# Altium PCB CX4.PcbDoc (part 2 of 2)
Units mil, origin at the board's own origin, x right, y up, seen from the top; angles counter-clockwise.
Board outline 3543.31 x 4330.71 mil, 6 copper layers (Top Layer, Internal Plane 1, Mid-Layer 1, Mid-Layer 2, Internal Plane 2, Bottom Layer), stack 63.99 mil thick; 67 components, 103 nets, 534 pads, 308 vias.
Unrouted connection lines stored in the file: 7.
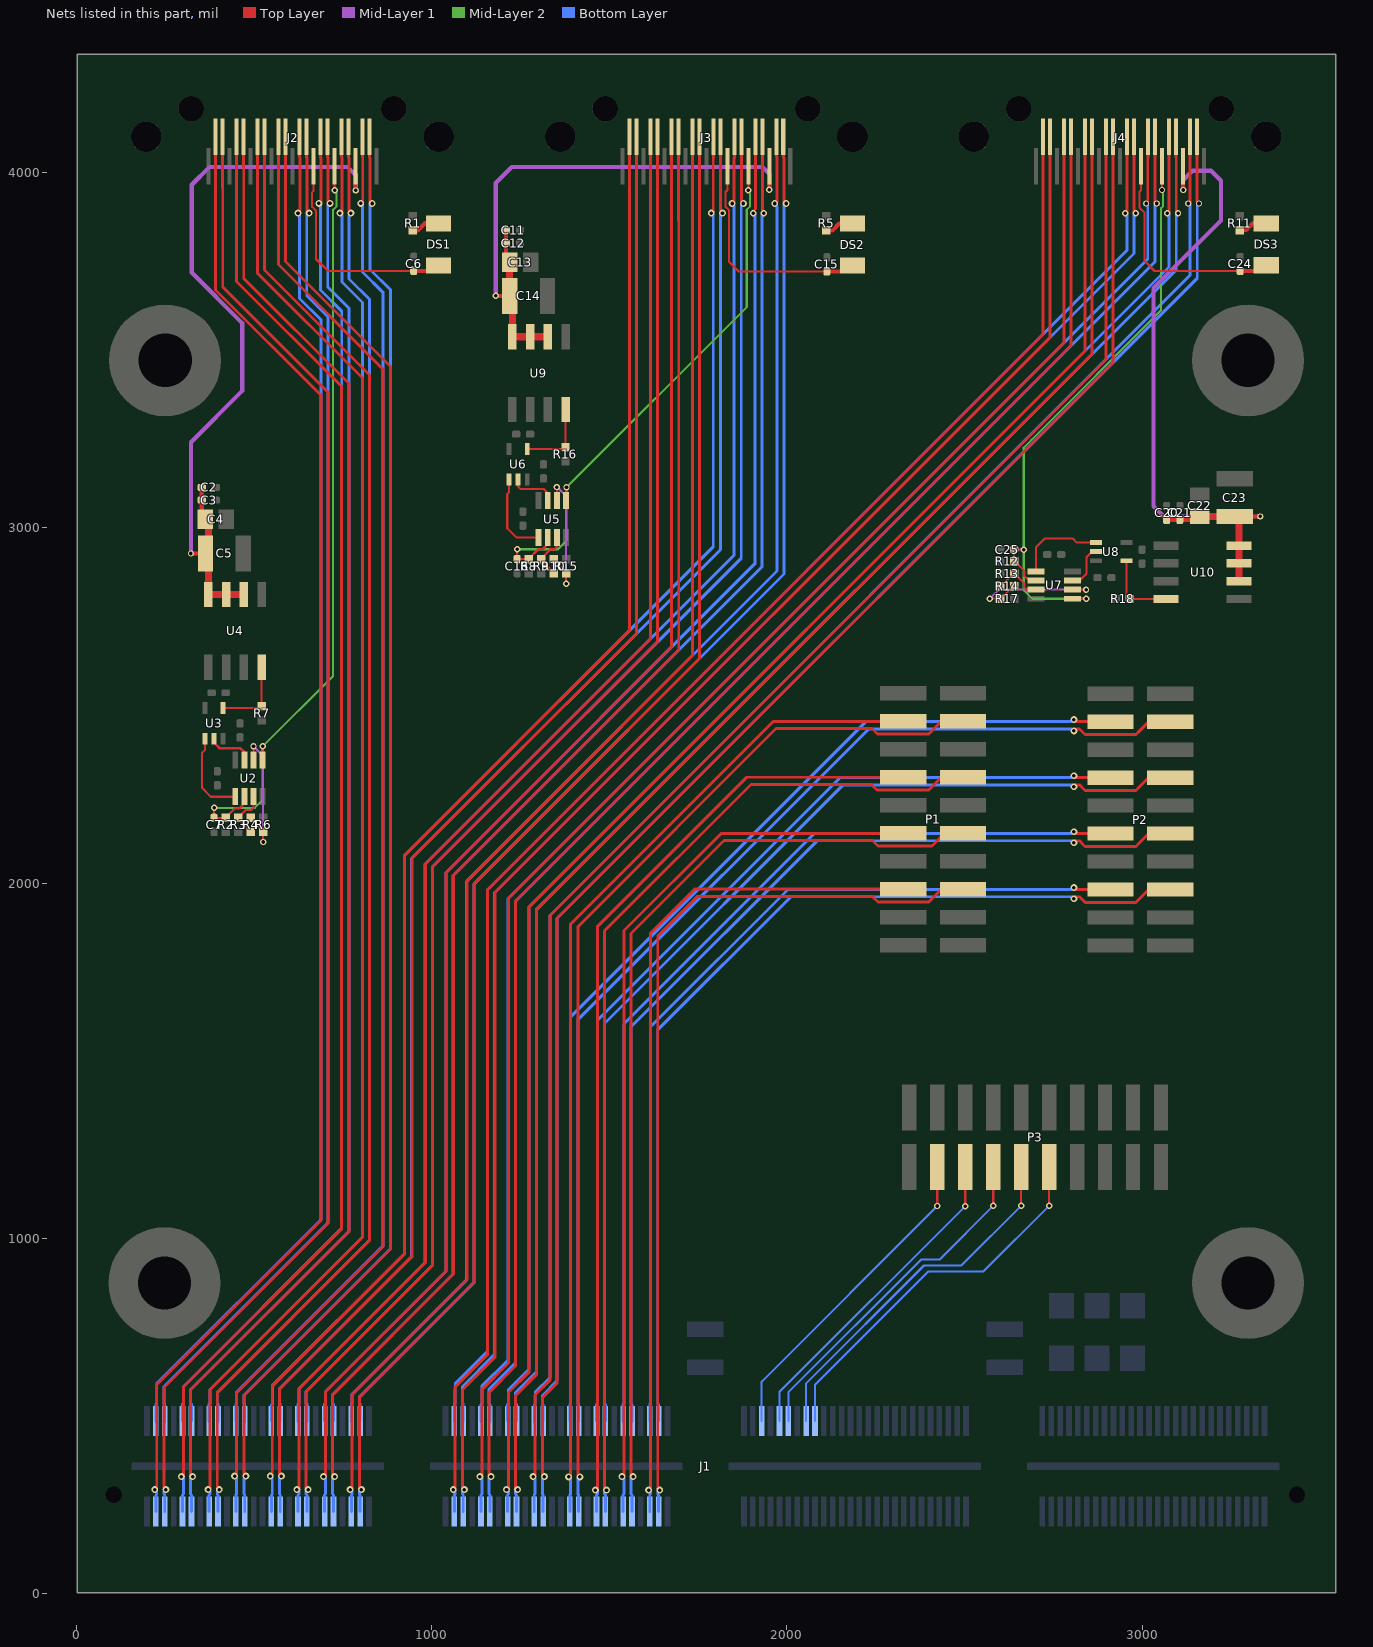
[diagram p6: the nets of this part, all layers, seen from the top]

## Via types
v1: diameter 18, hole 10, Top Layer to Bottom Layer, 224 vias
v2: diameter 19.4, hole 10, Top Layer to Bottom Layer, 49 vias
v3: diameter 32, hole 16, Top Layer to Bottom Layer, 29 vias
v4: diameter 19.1, hole 10, Top Layer to Bottom Layer, 6 vias

## Nets (pads, with @x,y where several pads share a name; then routed paths per layer and width w, separated by ;. In a path a pad name is that pad's centre, name@x,y a point inside that pad or via, vN(x,y) a via of type N, cw(c..) or ccw(c..) an arc to the next point about the centre after c; other vN are vias at no path point) (continued)
MGT_GPIO1: J1.C18 P3.3 | length 919.1
  Top Layer w6: v1(2423.41,1091.41) P3.3@2423.41,1200.94
  Bottom Layer w6: J1.C18@1929.29,486.5 1929.29,597.29 v1(2423.41,1091.41)
MGT_GPIO2: J1.C19 P3.5 | length 931
  Top Layer w6: v1(2502.15,1091.15) P3.5@2502.15,1200.94
  Bottom Layer w6: J1.C19@1979.29,486.5 1979.29,568.29 v1(2502.15,1091.15)
MGT_GPIO3: J1.C20 P3.7 | length 983.7
  Top Layer w6: v1(2580.89,1091.89) P3.7@2580.89,1200.94
  Bottom Layer w6: J1.C20@2004.29,486.5 2004.29,567.29 2378,941 2430,941 v1(2580.89,1091.89)
MGT_GPIO4: J1.C21 P3.9 | length 1026.7
  Top Layer w6: v1(2659.63,1092.63) P3.9@2659.63,1200.94
  Bottom Layer w6: J1.C21@2054.29,486.5 2054.29,592.29 2386,924 2491,924 v1(2659.63,1092.63)
MGT_GPIO5: J1.C22 P3.11 | length 1078.2
  Top Layer w6: v1(2738.37,1092.37) P3.11@2738.37,1200.94
  Bottom Layer w6: J1.C22@2079.29,486.5 2079.29,588.29 2398,907 2553,907 v1(2738.37,1092.37)
MGT_RX_16_N: J1.A2 J2.S2 | length 4188.3
  Top Layer w8.2: v2(252.49,293) 246.89,298.6 246.89,581.02 709,1043.13 709,3381.8 412.57,3678.23 412.57,3956 ; 411.98,3956.59 J2.S2@411.98,4100.58
  Bottom Layer w8.2: J1.A2@249.29,231.5 249.29,278.34 246.89,280.74 246.89,287.4 v2(252.49,293)
MGT_RX_16_P: J1.A1 J2.S1 | length 4194.4
  Top Layer w8.2: v2@226.69,293 v2(221.09,293) 226.69,298.6 226.69,589.38 688.8,1051.5 688.8,3373.43 392.37,3669.86 392.37,3956 ; 392.29,3956.07 J2.S1@392.29,4100.58
  Bottom Layer w8.2: v2(221.09,293) 226.69,287.4 226.69,280.74 224.29,278.34 J1.A1@224.29,231.5
MGT_RX_17_N: J1.A4 J2.S4 | length 4181.2
  Top Layer w8.2: v2(327.49,330) 321.89,335.6 321.89,573.43 767.4,1018.94 767.4,3405.99 471.6,3701.79 471.6,4015 ; 471.04,4015.56 J2.S4@471.04,4100.58
  Bottom Layer w8.2: J1.A4@324.29,231.5 324.29,278.34 321.89,280.74 321.89,324.4 v2(327.49,330)
MGT_RX_17_P: J1.A3 J2.S3 | length 4181.7
  Top Layer w8.2: v2(296.09,330) 301.69,335.6 301.69,581.79 747.2,1027.31 747.2,3397.62 451.4,3693.42 451.4,4015 ; 451.35,4015.05 J2.S3@451.35,4100.58
  Bottom Layer w8.2: v2(296.09,330) 301.69,324.4 301.69,280.74 299.29,278.34 J1.A3@299.29,231.5
MGT_RX_18_N: J1.A6 J2.S6 | length 4174.8
  Top Layer w8.2: v2(402.49,293) 396.89,298.6 396.89,565.84 825.8,994.75 825.8,3430.18 530,3725.98 530,4014 ; 530.09,4014.09 J2.S6@530.09,4100.58
  Bottom Layer w8.2: J1.A6@399.29,231.5 399.29,278.34 396.89,280.74 396.89,287.4 v2(402.49,293)
MGT_RX_18_P: J1.A5 J2.S5 | length 4174.3
  Top Layer w8.2: v2(371.09,293) 376.69,298.6 376.69,574.2 805.6,1003.12 805.6,3421.81 509.8,3717.61 509.8,4014 ; 510.41,4014.6 J2.S5@510.41,4100.58
  Bottom Layer w8.2: v2(371.09,293) 376.69,287.4 376.69,280.74 374.29,278.34 J1.A5@374.29,231.5
MGT_RX_19_N: J1.A8 J2.S8 | length 4167.6
  Top Layer w8.2: v2(477.49,331) 471.89,336.6 471.89,558.25 884.2,970.56 884.2,3454.37 589.2,3749.37 589.2,3856 ; 589.15,3856.05 J2.S8@589.15,4100.58
  Bottom Layer w8.2: J1.A8@474.29,231.5 474.29,278.34 471.89,280.74 471.89,325.4 v2(477.49,331)
MGT_RX_19_P: J1.A7 J2.S7 | length 4167.2
  Top Layer w8.2: v2(446.09,331) 451.69,336.6 451.69,566.61 864,978.93 864,3446 569,3741 569,3856 ; 569.46,3856.46 J2.S7@569.46,4100.58
  Bottom Layer w8.2: v2(446.09,331) 451.69,325.4 451.69,280.74 449.29,278.34 J1.A7@449.29,231.5
MGT_RX_20_N: J1.A10 J3.S2 | length 4291
  Top Layer w8.2: v2(577.49,331) 571.89,336.6 571.89,575.66 944.69,948.46 944.69,2070.43 1577,2702.74 1577,3931 ; 1576.98,3931.02 J3.S2@1576.98,4100.58
  Bottom Layer w8.2: J1.A10@574.29,231.5 574.29,278.34 571.89,280.74 571.89,325.4 v2(577.49,331)
MGT_RX_20_P: J1.A9 J3.S1 | length 4290.6
  Top Layer w8.2: v2(546.09,331) 551.69,336.6 551.69,584.02 924.49,956.82 924.49,2078.8 1556.8,2711.11 1556.8,3931 ; 1557.29,3931.49 J3.S1@1557.29,4100.58
  Bottom Layer w8.2: v2(546.09,331) 551.69,325.4 551.69,280.74 549.29,278.34 J1.A9@549.29,231.5
MGT_RX_21_N: J1.A12 J3.S4 | length 4284.3
  Top Layer w8.2: v2(652.49,293) 646.89,298.6 646.89,568.07 1003.09,924.27 1003.09,2046.24 1636.2,2679.35 1636.2,3931 ; 1636.04,3931.16 J3.S4@1636.04,4100.58
  Bottom Layer w8.2: J1.A12@649.29,231.5 649.29,278.34 646.89,280.74 646.89,287.4 v2(652.49,293)
MGT_RX_21_P: J1.A11 J3.S3 | length 4284.2
  Top Layer w8.2: v2(621.09,293) 626.69,298.6 626.69,576.43 982.89,932.63 982.89,2054.61 1616,2687.72 1616,3931 ; 1616.35,3931.35 J3.S3@1616.35,4100.58
  Bottom Layer w8.2: v2(621.09,293) 626.69,287.4 626.69,280.74 624.29,278.34 J1.A11@624.29,231.5
MGT_RX_22_N: J1.A14 J3.S6 | length 4277.7
  Top Layer w8.2: v2(727.49,330) 721.89,335.6 721.89,560.48 1061.49,900.08 1061.49,2022.05 1695.8,2656.36 1695.8,3862.82 1696,3863.02 ; 1695.09,3863.53 J3.S6@1695.09,4100.58
  Bottom Layer w8.2: J1.A14@724.29,231.5 724.29,278.34 721.89,280.74 721.89,324.4 v2(727.49,330)
MGT_RX_22_P: J1.A13 J3.S5 | length 4277.9
  Top Layer w8.2: v2(696.09,330) 701.69,335.6 701.69,568.84 1041.29,908.44 1041.29,2030.42 1675.6,2664.73 1675.6,3871.19 ; 1675.41,3871.39 J3.S5@1675.41,4100.58
  Bottom Layer w8.2: v2(696.09,330) 701.69,324.4 701.69,280.74 699.29,278.34 J1.A13@699.29,231.5
MGT_RX_23_N: J1.A16 J3.S8 | length 4271.2
  Top Layer w8.2: v2(802.49,293) 796.89,298.6 796.89,552.89 1119.89,875.89 1119.89,1997.86 1754.2,2632.17 1754.2,3847 ; 1754.15,3847.05 J3.S8@1754.15,4100.58
  Bottom Layer w8.2: J1.A16@799.29,231.5 799.29,278.34 796.89,280.74 796.89,287.4 v2(802.49,293)
MGT_RX_23_P: J1.A15 J3.S7 | length 4270.8
  Top Layer w8.2: v2(771.09,293) 776.69,298.6 776.69,561.25 1099.69,884.25 1099.69,2006.23 1734,2640.54 1734,3847 ; 1734.46,3847.46 J3.S7@1734.46,4100.58
  Bottom Layer w8.2: v2(771.09,293) 776.69,287.4 776.69,280.74 774.29,278.34 J1.A15@774.29,231.5
MGT_RX_24_N: J1.B2 J4.S2 | length 4559.7
  Top Layer w8.2: v2(1092.49,293) 1086.89,298.6 1086.89,573.66 1178.29,665.06 1178.29,1973.67 2741.2,3536.58 2741.2,3926 ; 2740.98,3926.22 J4.S2@2740.98,4100.58
  Bottom Layer w8.2: J1.B2@1089.29,231.5 1089.29,278.34 1086.89,280.74 1086.89,287.4 v2(1092.49,293)
MGT_RX_24_P: J1.B1 J4.S1 | length 4559.7
  Top Layer w8.2: v2(1061.09,293) 1066.69,298.6 1066.69,582.02 1158.09,673.42 1158.09,1982.04 2721,3544.95 2721,3926 ; 2721.29,3926.29 J4.S1@2721.29,4100.58
  Bottom Layer w8.2: v2(1061.09,293) 1066.69,287.4 1066.69,280.74 1064.29,278.34 J1.B1@1064.29,231.5
MGT_RX_25_N: J1.B4 J4.S4 | length 4553.2
  Top Layer w8.2: v2(1167.49,330) 1161.89,335.6 1161.89,566.07 1236.69,640.87 1236.69,1949.48 2800.2,3512.99 2800.2,3926 ; 2800.04,3926.16 J4.S4@2800.04,4100.58
  Bottom Layer w8.2: J1.B4@1164.29,231.5 1164.29,278.34 1161.89,280.74 1161.89,324.4 v2(1167.49,330)
MGT_RX_25_P: J1.B3 J4.S3 | length 4553
  Top Layer w8.2: v2(1136.09,330) 1141.69,335.6 1141.69,574.43 1216.49,649.23 1216.49,1957.85 2780,3521.36 2780,3926 ; 2780.35,3926.35 J4.S3@2780.35,4100.58
  Bottom Layer w8.2: v2(1136.09,330) 1141.69,324.4 1141.69,280.74 1139.29,278.34 J1.B3@1139.29,231.5
MGT_RX_26_N: J1.B6 J4.S6 | length 4546.6
  Top Layer w8.2: v2(1242.49,293) 1236.89,298.6 1236.89,558.48 1295.09,616.68 1295.09,1925.29 2859.2,3489.4 2859.2,3926 ; 2859.09,3926.11 J4.S6@2859.09,4100.58
  Bottom Layer w8.2: J1.B6@1239.29,231.5 1239.29,278.34 1236.89,280.74 1236.89,287.4 v2(1242.49,293)
MGT_RX_26_P: J1.B5 J4.S5 | length 4551.9
  Top Layer w8.2: v2@1216.69,293 v2(1211.09,293) 1216.69,298.6 1216.69,566.84 1274.89,625.04 1274.89,1933.66 2839,3497.77 2839,3926 ; 2839.41,3926.4 J4.S5@2839.41,4100.58
  Bottom Layer w8.2: v2(1211.09,293) 1216.69,287.4 1216.69,280.74 1214.29,278.34 J1.B5@1214.29,231.5
MGT_RX_27_N: J1.B8 J4.S8 | length 4540
  Top Layer w8.2: v2(1317.49,330) 1311.89,335.6 1311.89,550.89 1353.49,592.49 1353.49,1901.1 2918.2,3465.81 2918.2,3856 ; 2918.15,3856.05 J4.S8@2918.15,4100.58
  Bottom Layer w8.2: J1.B8@1314.29,231.5 1314.29,278.34 1311.89,280.74 1311.89,324.4 v2(1317.49,330)
MGT_RX_27_P: J1.B7 J4.S7 | length 4539.6
  Top Layer w8.2: v2(1286.09,330) 1291.69,335.6 1291.69,559.25 1333.29,600.85 1333.29,1909.47 2898,3474.18 2898,3856 ; 2898.46,3856.46 J4.S7@2898.46,4100.58
  Bottom Layer w8.2: v2(1286.09,330) 1291.69,324.4 1291.69,280.74 1289.29,278.34 J1.B7@1289.29,231.5
MGT_RX_28_N: J1.B15 P1.6 | length 2395.9
  Top Layer w8.2: v2(1611.09,292) 1616.69,297.6 1616.69,1859.07 1740.81,1983.2 2237,1983.2 2237.05,1983.15 P1.6@2327.94,1983.15
  Bottom Layer w8.2: v2(1611.09,292) 1616.69,286.4 1616.69,280.74 1614.29,278.34 J1.B15@1614.29,231.5
MGT_RX_28_P: J1.B16 P1.5 | length 2551.9
  Top Layer w8.2: v2(1642.49,292) 1636.89,297.6 1636.89,1850.71 1749.18,1963 2240.52,1963 ; 2240.57,1963 2256.4,1947.17 2399.49,1947.17 2435.47,1983.15 P1.5@2496.06,1983.15
  Bottom Layer w8.2: J1.B16@1639.29,231.5 1639.29,278.34 1636.89,280.74 1636.89,286.4 v2(1642.49,292)
MGT_RX_29_N: J1.B13 P1.10 | length 2540.5
  Top Layer w8.2: v2(1536.09,330) 1541.69,335.6 1541.69,1866.66 1815.22,2140.2 2257.7,2140.2 2258.13,2140.63 P1.10@2327.94,2140.63
  Bottom Layer w8.2: v2(1536.09,330) 1541.69,324.4 1541.69,280.74 1539.29,278.34 J1.B13@1539.29,231.5
MGT_RX_29_P: J1.B14 P1.9 | length 2696.3
  Top Layer w8.2: v2(1567.49,330) 1561.89,335.6 1561.89,1858.3 1823.59,2120 2241.05,2120 2256.4,2104.65 2408.81,2104.65 2444.78,2140.63 P1.9@2496.06,2140.63
  Bottom Layer w8.2: J1.B14@1564.29,231.5 1564.29,278.34 1561.89,280.74 1561.89,324.4 v2(1567.49,330)
MGT_RX_30_N: J1.B11 P1.14 | length 2692.9
  Top Layer w8.2: v2@1466.69,292 v2(1461.09,292) 1466.69,297.6 1466.69,1877.69 1887.2,2298.2 2246,2298.2 2246.09,2298.11 P1.14@2327.94,2298.11
  Bottom Layer w8.2: v2(1461.09,292) 1466.69,286.4 1466.69,280.74 1464.29,278.34 J1.B11@1464.29,231.5
MGT_RX_30_P: J1.B12 P1.13 | length 2841.4
  Top Layer w8.2: v2(1492.49,292) 1486.89,297.6 1486.89,1865.89 1899,2278 2237.63,2278 2253.5,2262.13 2399.49,2262.13 2435.47,2298.11 P1.13@2496.06,2298.11
  Bottom Layer w8.2: J1.B12@1489.29,231.5 1489.29,278.34 1486.89,280.74 1486.89,286.4 v2(1492.49,292)
MGT_RX_31_N: J1.B9 P1.18 | length 2837.5
  Top Layer w8.2: v2@1391.69,329 v2(1386.09,329) 1391.69,334.6 1391.69,1885.28 1961.61,2455.2 2257.74,2455.2 2258.13,2455.59 P1.18@2327.94,2455.59
  Bottom Layer w8.2: v2(1386.09,329) 1391.69,323.4 1391.69,280.74 1389.29,278.34 J1.B9@1389.29,231.5
MGT_RX_31_P: J1.B10 P1.17 | length 2987.7
  Top Layer w8.2: v2(1417.49,329) 1411.89,334.6 1411.89,1876.91 1969.98,2435 2240,2435 2255.39,2419.61 2399.49,2419.61 2435.47,2455.59 P1.17@2496.06,2455.59
  Bottom Layer w8.2: J1.B10@1414.29,231.5 1414.29,278.34 1411.89,280.74 1411.89,323.4 v2(1417.49,329)
MGT_TX_16_N: J1.A23 J2.S15 | length 3820.3
  Top Layer w8.2: J2.S15@805.68,4100.58 805.68,4044.34 806.57,4043.45 806.57,3918.99 v2(800.97,3913.39) v2@806.57,3913.39
  Bottom Layer w8.2: J1.A23@449.29,486.5 449.29,533.34 451.69,535.74 451.69,567.25 864,979.57 864,3662 806,3720 806,3908.36 v2(800.97,3913.39)
MGT_TX_16_P: J1.A24 J2.S16 | length 3815.2
  Top Layer w8.2: J2.S16@825.37,4100.58 825.88,4100.07 825.88,4041.89 826.77,4041 826.77,3919.23 v2(833,3913)
  Bottom Layer w8.2: J1.A24@474.29,486.5 474.29,533.34 471.89,535.74 471.89,558.89 884.2,971.2 884.2,3670.37 827,3727.57 827,3907 v2(833,3913)
MGT_TX_17_N: J1.A21 J2.S13 | length 3822.8
  Top Layer w8.2: J2.S13@746.63,4100.58 746.63,4044.34 747.52,4043.45 747.52,3891.43 v2(741.92,3885.83) v2@747.52,3885.83
  Bottom Layer w8.2: J1.A21@374.29,486.5 374.29,533.99 376.69,536.39 376.69,575.3 805.8,1004.41 805.8,3634.2 747.8,3692.2 747.8,3874.86 747.52,3875.14 747.52,3880.23 v2@745.28,3882.46
MGT_TX_17_P: J1.A22 J2.S14 | length 3817.2
  Top Layer w8.2: J2.S14@766.31,4100.58 766.31,4042.41 767.72,4041 767.72,3891.43 v2(773.32,3885.83)
  Bottom Layer w8.2: J1.A22@399.29,486.5 399.29,533.99 396.89,536.39 396.89,566.93 826,996.04 826,3642.57 768,3700.57 768,3880.51 v2@769.95,3882.46
MGT_TX_18_N: J1.A19 J2.S11 | length 3830.4
  Top Layer w8.2: v2(682.86,3913.39) 688.46,3918.99 688.46,4041 687.06,4041 687.06,4100.07 J2.S11@687.57,4100.58
  Bottom Layer w8.2: J1.A19@299.29,486.5 299.29,533.99 301.69,536.39 301.69,583.25 747.4,1028.97 747.4,3610.01 687.8,3669.61 687.8,3908.45 v2(682.86,3913.39)
MGT_TX_18_P: J1.A20 J2.S12 | length 3829.9
  Top Layer w8.2: J2.S12@707.26,4100.58 707.26,4044.34 708.66,4042.94 708.66,4003 708.66,3918.99 v2(714.26,3913.39)
  Bottom Layer w8.2: J1.A20@324.29,486.5 324.29,533.99 321.89,536.39 321.89,574.89 767.6,1020.6 767.6,3618.38 708,3677.98 708,3907.12 v2(714.26,3913.39)
MGT_TX_19_N: J1.A17 J2.S9 | length 3841.9
  Top Layer w8.2: J2.S9@628.52,4100.58 628.52,4044.34 629.92,4042.94 629.92,3891.43 v2(624.32,3885.83) v2@629.92,3885.83
  Bottom Layer w8.2: J1.A17@224.29,486.5 224.29,533.99 226.69,536.39 226.69,591.25 689,1053.57 689,3585.82 628.8,3646.02 628.8,3881.35 v2(624.32,3885.83)
MGT_TX_19_P: J1.A18 J2.S10 | length 3838.3
  Top Layer w8.2: J2.S10@648.2,4100.58 648.2,4042.92 650.12,4041 650.12,3891.43 v2(655.72,3885.83)
  Bottom Layer w8.2: J1.A18@249.29,486.5 249.29,533.99 247.81,533.99 246.89,534.92 246.89,582.89 709.2,1045.2 709.2,3594.19 649,3654.39 649,3879.11 v2(655.72,3885.83)
MGT_TX_20_N: J1.A31 J3.S15 | length 4121.4
  Top Layer w8.2: v2(1966,3913) 1971.9,3918.9 1971.9,4043.12 1970.68,4044.34 J3.S15@1970.68,4100.58
  Bottom Layer w8.2: J1.A31@774.29,486.5 774.29,533.99 776.69,536.39 776.69,561.69 1098.92,883.92 1098.92,2005.25 1972,2878.34 1972,3903.77 1962.39,3913.39 1965.77,3913.39 1966,3913.15 v2(1966,3913)
MGT_TX_20_P: J1.A32 J3.S16 | length 4116.5
  Top Layer w8.2: v2(1998,3913) 1992.1,3918.9 1992.1,4041 1990.88,4042.22 J3.S16@1990.88,4100.07 ; J3.S16@1990.88,4100.07 J3.S16@1990.37,4100.58 J3.S16@1990.88,4100.07
  Bottom Layer w8.2: J1.A32@799.29,486.5 799.29,533.99 796.89,536.39 796.89,553.32 1119.12,875.55 1119.12,1996.89 1992.2,2869.97 1992.2,3907.2 v2(1998,3913)
MGT_TX_21_N: J1.A29 J3.S13 | length 4118.9
  Top Layer w8.2: v1(1905.3,3886) 1905.3,3891.5 1911.63,3897.82 J3.S13@1911.63,4100.58 J3.S13@1911.11,4100.07
  Bottom Layer w8.2: J1.A29@699.29,486.5 699.29,533.99 ; 701.69,536.39 699.29,533.99 ; v1@1909.12,3882.18 1910,3881.3 1910,2898.93 1040.52,2029.44 1040.52,908.11 702,569.59 702,536.71 699.29,533.99
MGT_TX_21_P: J1.A30 J3.S14 | length 4117.1
  Top Layer w8.2: J3.S14@1931.83,4100.07 J3.S14@1931.31,4100.58 1931.31,3889.99 v1(1935.3,3886)
  Bottom Layer w8.2: J1.A30@724.29,486.5 724.29,533.99 721.89,536.39 721.89,560.91 1060.72,899.74 1060.72,2021.08 1930.2,2890.56 1930.2,3867 1930.4,3867.2 1930.4,3881.1 v1@1933.18,3883.88
MGT_TX_22_N: J1.A27 J3.S11 | length 4134.7
  Top Layer w8.2: v2@1845,3913 v2(1846,3913) 1851.9,3918.9 1851.9,4041 1852.57,4041.67 J3.S11@1852.57,4100.58 J3.S11@1852.06,4100.07
  Bottom Layer w8.2: J1.A27@624.29,486.5 624.29,533.99 626.69,536.39 626.69,577.25 982.12,932.68 982.12,2053.63 1851.6,2923.12 1851.6,3907.4 v2(1846,3913) v2@1849.88,3909.12
MGT_TX_22_P: J1.A28 J3.S12 | length 4133.2
  Top Layer w8.2: J3.S12@1872.26,4100.58 1872.26,4044.34 1872.1,4044.19 1872.1,3918.9 v2(1878,3913)
  Bottom Layer w8.2: J1.A28@649.29,486.5 649.29,533.99 646.89,536.39 646.89,568.89 1002.32,924.32 1002.32,2045.27 1871.8,2914.75 1871.8,3906.8 v2(1878,3913) 1877,3913 v2@1873.68,3909.68
MGT_TX_23_N: J1.A25 J3.S9 | length 4139.3
  Top Layer w8.2: v2(1787.22,3885.83) 1793.01,3891.61 1793.01,4041 1793.52,4041.5 J3.S9@1793.52,4100.58
  Bottom Layer w8.2: J1.A25@549.29,486.5 549.29,532.29 552,535 552,585.57 923.72,957.28 923.72,2077.82 1793,2947.11 1793,3880.05 v2(1787.22,3885.83) v2@1790.82,3882.23
MGT_TX_23_P: J1.A26 J3.S10 | length 4131.6
  Top Layer w8.2: 1813.2,4041.01 J3.S10@1813.2,4100.58 ; 1813.21,4041 1813.21,3891.79 v2(1819,3886)
  Bottom Layer w8.2: J1.A26@574.29,486.5 574.29,533.99 571.89,536.39 571.89,576.89 943.92,948.92 943.92,2069.46 1813.2,2938.74 1813.2,3883.46 v2@1813.4,3883.66 ; v2@1816.8,3886 v2(1819,3886)
MGT_TX_24_N: J1.B23 J4.S15 | length 4387.4
  Top Layer w8.2: J4.S15@3134.68,4100.58 3134.68,3917.58 v1(3130.1,3913) v1@3135,3913
  Bottom Layer w8.2: J1.B23@1289.29,486.5 1289.29,530.29 1292,533 1292,567.09 1333.2,608.29 1333.2,1909.18 3135,3710.98 3135,3908.1 v1(3130.1,3913)
MGT_TX_24_P: J1.B24 J4.S16 | length 4382.9
  Top Layer w8.2: J4.S16@3154.37,4100.58 3154.37,3918.73 v1(3160.1,3913)
  Bottom Layer w8.2: J1.B24@1314.29,486.5 1314.29,530.71 1312,533 1312,558.52 1353.4,599.92 1353.4,1900.81 3155.2,3702.61 3155.2,3908.1 v1(3160.1,3913)
MGT_TX_25_N: J1.B21 J4.S13 | length 4394.3
  Top Layer w8.2: J4.S13@3075.63,4100.58 3075.63,4044.34 3076,4043.97 3076,4041 3076,3890.9 v1(3071.1,3886) v1@3076,3886
  Bottom Layer w8.2: J1.B21@1214.29,486.5 1214.29,533.34 1216.69,535.74 1216.69,574.37 1274.8,632.48 1274.8,1933.37 3076,3734.57 3076,3801.57 3076,3881.1 v1(3071.1,3886)
MGT_TX_25_P: J1.B22 J4.S14 | length 4389.7
  Top Layer w8.2: J4.S14@3095.31,4100.58 3095.31,4041.89 3096.2,4041 3096.2,3890.9 v1(3101.1,3886)
  Bottom Layer w8.2: J1.B22@1239.29,486.5 1239.29,533.34 1236.89,535.74 1236.89,566 1295,624.11 1295,1925 3096.2,3726.2 3096.2,3793.2 3096.2,3881.1 v1(3101.1,3886)
MGT_TX_26_N: J1.B19 J4.S11 | length 4395.7
  Top Layer w8.2: v1(3011.1,3913) 3016,3917.9 3016,4041 3016.57,4041.57 J4.S11@3016.57,4100.58
  Bottom Layer w8.2: J1.B19@1139.29,486.5 1139.29,533.34 1141.69,535.74 1141.69,584.25 1215.72,658.28 1215.72,1956.87 3016,3757.16 3016,3800.57 3016,3908.1 v1(3011.1,3913)
MGT_TX_26_P: J1.B20 J4.S12 | length 4395.5
  Top Layer w8.2: J4.S12@3036.26,4100.58 3036.26,4044.34 3036.2,4044.29 3036.2,4041 3036.2,3917.9 v1(3041.1,3913)
  Bottom Layer w8.2: J1.B20@1164.29,486.5 1164.29,533.34 1161.89,535.74 1161.89,575.89 1235.92,649.92 1235.92,1948.51 3036.2,3748.79 3036.2,3792.2 3036.2,3908.1 v1(3041.1,3913)
MGT_TX_27_N: J1.B17 J4.S9 | length 4400.7
  Top Layer w8.2: v1(2952.1,3886) 2957,3890.9 2957,4041 2957.52,4041.52 J4.S9@2957.52,4100.58
  Bottom Layer w8.2: J1.B17@1064.29,486.5 1064.29,533.34 1066.69,535.74 1066.69,574.37 ; 1066.8,576 1066.8,591.96 1157.32,682.47 1157.32,1981.06 2957,3780.75 2957,3881.1 v1(2952.1,3886)
MGT_TX_27_P: J1.B18 J4.S10 | length 4402
  Top Layer w8.2: J4.S10@2977.2,4100.58 2977.2,4044.34 2977.2,3890.9 v1(2982.1,3886)
  Bottom Layer w8.2: 1086.89,566 1086.89,535.74 1089.29,533.34 J1.B18@1089.29,486.5 ; 1087,566.11 1087,583.59 1177.52,674.11 1177.52,1972.7 2977.2,3772.38 2977.2,3881.1 v1(2982.1,3886)
MGT_TX_28_N: J1.B31 P2.6 | length 2566.8
  Top Layer w8.2: v4@2808,1982.15 P2.6@2910.94,1982.15
  Bottom Layer w8.2: J1.B31@1614.29,486.5 1614.29,533.34 1616.69,535.74 1616.69,1595.7 2003.14,1982.15 2802.55,1982.15 v4(2808,1987.6)
MGT_TX_28_P: J1.B32 P2.5 | length 2725.1
  Top Layer w8.2: v4(2808,1956.5) 2813.45,1961.95 2823.62,1961.95 2839.4,1946.17 2982.49,1946.17 2991.81,1955.48 3018.47,1982.15 P2.5@3079.06,1982.15
  Bottom Layer w8.2: J1.B32@1639.29,486.5 1639.29,533.34 1636.89,535.74 1636.89,1587.33 2011.5,1961.95 2802.55,1961.95 v4(2808,1956.5)
MGT_TX_29_N: J1.B29 P2.10 | length 2716.3
  Top Layer w8.2: v4@2808,2139.63 P2.10@2910.94,2139.63
  Bottom Layer w8.2: J1.B29@1539.29,486.5 1539.29,533.34 1541.69,535.74 1541.69,1604.25 2077.06,2139.63 2108,2139.63 ; 2103.77,2139.63 2802.55,2139.63 v4(2808,2145.08)
MGT_TX_29_P: J1.B30 P2.9 | length 2864
  Top Layer w8.2: v4@2808,2119.43 2823.62,2119.43 2839.4,2103.65 2982.49,2103.65 2991.81,2112.97 3018.47,2139.63 P2.9@3079.06,2139.63
  Bottom Layer w8.2: J1.B30@1564.29,486.5 1564.29,533.34 1561.89,535.74 1561.89,1595.89 2085.43,2119.43 2108,2119.43 ; 2112.13,2119.43 2802.55,2119.43 v4(2808,2113.98)
MGT_TX_30_N: J1.B27 P2.14 | length 2857.4
  Top Layer w8.2: v4@2808.11,2297.11 P2.14@2910.94,2297.11
  Bottom Layer w8.2: J1.B27@1464.29,486.5 1464.29,533.34 1466.69,535.74 1466.69,1613.25 2150.54,2297.11 2204.39,2297.11 2802.55,2297.11 v4(2808,2302.56)
MGT_TX_30_P: J1.B28 P2.13 | length 3013.6
  Top Layer w8.2: v4@2808,2276.91 2823.62,2276.91 2839.4,2261.13 2982.49,2261.13 2991.81,2270.45 3018.47,2297.11 P2.13@3079.06,2297.11
  Bottom Layer w8.2: J1.B28@1489.29,486.5 1489.29,533.34 1486.89,535.74 1486.89,1604.89 2158.91,2276.91 2212.76,2276.91 2802.55,2276.91 v4(2808,2271.46)
MGT_TX_31_N: J1.B25 P2.18 | length 3006.9
  Top Layer w8.2: v2(2808,2460.59) 2814,2454.59 P2.18@2910.94,2454.59
  Bottom Layer w8.2: J1.B25@1389.29,486.5 1389.29,533.34 1391.69,535.74 1391.69,1624.25 2222.02,2454.59 2305.02,2454.59 2802,2454.59 v2(2808,2460.59)
MGT_TX_31_P: J1.B26 P2.17 | length 3162.9
  Top Layer w8.2: v2(2808,2428.56) 2813.83,2434.39 2823.62,2434.39 2839.4,2418.61 2982.49,2418.61 2991.81,2427.93 3018.47,2454.59 P2.17@3079.06,2454.59
  Bottom Layer w8.2: J1.B26@1414.29,486.5 1414.29,533.34 1411.89,535.74 1411.89,1615.89 2230.39,2434.39 2313.39,2434.39 2802.17,2434.39 v2(2808,2428.56)
NetC2_2: C2.2 C3.2 C4.2 C5.2 J2.G8 U4.6 U4.7 U4.8 | length 2212.3
  Top Layer w6: J2.G8@785.99,4017.9 J2.G8@787,4016.9
  Top Layer w10: v1@785.99,3950.71 v1(787,3949.7)
  Top Layer w12: v1(323,2928) C5.2@363.85,2928 ; C4.2@353.31,3034.16 C3.2@353.31,3078 C2.2@353.31,3114 ; v1@785.99,3950.71 J2.G8@785.99,4017.9
  Top Layer w20: C4.2@353.31,3034.16 372,3015.47 U4.8@372,2812.36 U4.7@422,2812.36 U4.6@472,2812.36
  Mid-Layer 1 w12: v1(323,2928) 323,3241 467,3385 467,3577 325,3719 325,3966 375,4016 764,4016 787,3993 v1(787,3949.7)
NetC6_2: C6.2 DS1.1 J2.G6 | length 632.4
  Top Layer w6: J2.G6@667.89,4017.9 667.89,3948.19 664.16,3944.46 664.16,3903.83 675,3892.99 675,3757 708.69,3723.31 C6.2@950,3723.31
  Top Layer w12: C6.2@950,3723.31 1004.37,3723.31 DS1.1@1020,3738.94
NetC7_2: C7.2 J2.G7 R2.2 U2.2 U2.5 | length 2207.8
  Top Layer w6: v1(388,2212) C7.2@388,2183.69 R2.2@421,2183.69 421,2185.03 446.37,2210.41 459.61,2210.41 473.2,2224 U2.2@473.2,2243.43 ; U2.5@524.39,2346.57 524.39,2384.39 v1(525,2385) ; v1@726.94,3951.06 J2.G7@726.94,4017.9
  Top Layer w12: v1@726.94,3951.06 v1(728,3950)
  Mid-Layer 2 w6: v1(388,2212) 503,2212 525,2234 v1(525,2385) 723.22,2583.22 723.22,3895.9 732.96,3905.64 732.96,3945.04 v1(728,3950)
NetC11_2: C11.2 C12.2 C13.2 C14.2 J3.G8 U9.6 U9.7 U9.8 | length 1671.8
  Top Layer w12: v1(1181,3653) 1180.7,3652.7 C14.2@1220.28,3652.7 ; C11.2@1209.75,3837.7 C12.2@1209.75,3801.7 1209.75,3757.86 C13.2@1219.91,3747.7 ; v1(1950.99,3952.01) J3.G8@1950.99,4017.9
  Top Layer w20: C13.2@1219.91,3747.7 1219.91,3653.08 C14.2@1220.28,3652.7 1227.43,3645.55 U9.8@1227.43,3538.06 U9.7@1277.43,3538.06 U9.6@1327.43,3538.06
  Mid-Layer 1 w12: v1(1181,3653) 1181,3971 1226,4016 1931,4016 1950.99,3996.01 v1(1950.99,3952.01)
NetC15_2: C15.2 DS2.1 J3.G6 | length 641.1
  Top Layer w6: J3.G6@1832.89,4017.9 1832.89,3950.97 1827.3,3945.39 1827.3,3904.15 1837.7,3893.75 1837.7,3748.3 1864.12,3721.88 C15.2@2112.7,3721.88
  Top Layer w12: C15.2@2112.7,3721.88 2168.07,3721.88 DS2.1@2184.7,3738.51
NetC16_2: C16.2 J3.G7 R8.2 U5.2 U5.5 | length 1608.7
  Top Layer w6: v1(1241,2940) C16.2@1241,2912 R8.2@1274,2912 1274,2913.35 1301.06,2940.41 1313.61,2940.41 1327.2,2954 U5.2@1327.2,2973.43 ; U5.5@1378.39,3076.57 1378.39,3112.39 v1(1380,3114) ; v1(1891.94,3950.06) J3.G7@1891.94,4017.9
  Mid-Layer 2 w6: v1(1241,2940) 1356,2940 1380,2964 v1(1380,3114) 1887.3,3621.3 1887.3,3895.85 1896.7,3905.25 1896.7,3945.3 v1(1891.94,3950.06)
NetC20_2: C20.2 C21.2 C22.2 C23.2 J4.G8 U10.6 U10.7 U10.8 | length 1986
  Top Layer w6: v1@3114.99,3951.31 v1(3115.3,3951.01)
  Top Layer w12: C20.2@3069,3022.31 C21.2@3106,3022.31 3151.84,3022.31 C22.2@3162,3032.47 ; v1@3114.99,3951.31 J4.G8@3114.99,4017.9 ; C23.2@3261.13,3032.19 v1(3332.81,3032.19)
  Top Layer w20: C22.2@3162.28,3032.19 C23.2@3261.13,3032.19 3272.36,3020.96 U10.8@3272.36,2950 U10.7@3272.36,2900 U10.6@3272.36,2850
  Mid-Layer 1 w12: v1(3115.3,3951.01) 3115.3,3978.3 3142,4005 3194,4005 3222,3977 3222,3865 3098,3741 3032,3675 3032,3061 3060.81,3032.19 v1(3332.81,3032.19)
  Bottom Layer w6: v1@3115.3,3950.7 v1(3115.3,3951.01)
NetC24_2: C24.2 DS3.1 J4.G6 | length 634.6
  Top Layer w6: J4.G6@2996.89,4017.9 2996.89,3950.11 2993.1,3946.33 2993.1,3900.46 3007,3886.56 3007,3751 3034.88,3723.12 C24.2@3276.07,3723.12
  Top Layer w12: C24.2@3276.07,3723.12 3333.23,3723.12 DS3.1@3349.2,3739.09
NetC25_2: C25.2 J4.G7 R12.2 U7.2 U7.5 | length 1732
  Top Layer w6: R12.2@2639.69,2906.31 C25.2@2639.69,2939 v1(2667,2939) ; R12.2@2640,2906 2641.35,2906 2668.41,2878.94 2668.41,2865.39 2682,2851.8 U7.2@2701.43,2851.8 ; U7.5@2804.57,2800.61 v1(2842.39,2800.61) ; v1(3055.94,3951.06) J4.G7@3055.94,4017.9
  Mid-Layer 2 w6: v1(2842.39,2800.61) 2691,2800.61 2669,2822.61 2667,2824.61 v1(2667,2939) 2667,3226 2689.04,3248.04 3053.1,3612.1 3053.1,3899.54 3059.1,3905.54 3059.1,3947.9 v1(3055.94,3951.06)
NetDS1_2: DS1.2 R1.1 | length 81.2
  Top Layer w12: R1.1@947,3837.31 961.32,3837.31 981.06,3857.06 DS1.2@1020,3857.06
NetDS2_2: DS2.2 R5.1 | length 82.9
  Top Layer w12: R5.1@2112.22,3837.31 R5.1@2111,3837.31 2128.32,3837.31 2147.62,3856.62 DS2.2@2184.7,3856.62
NetDS3_2: DS3.2 R11.1 | length 82
  Top Layer w12: R11.1@3275.07,3838.12 3293.38,3838.12 3312.47,3857.2 DS3.2@3349.2,3857.2
NetR3_1: R3.1 R4.2 U2.3 | length 138.1
  Top Layer w6: R3.1@456,2181.63 R4.2@491,2146.63 ; R3.1@456,2183.68 456,2185.03 476.97,2206 492,2206 498.8,2212.8 U2.3@498.8,2243.43
  Top Layer w7: R4.2@491,2144.31 R4.2@491,2146.63
NetR4_1: R4.1 R6.2 U2.6 | length 398.3
  Top Layer w6: R4.1@491,2181.37 R6.2@526,2146.37 ; U2.6@499,2346.78 v1(499,2385) ; v1(526,2116) R6.2@526,2144.31
  Top Layer w7: R6.2@526,2144.31 R6.2@526,2146.37
  Mid-Layer 1 w6: v1(499,2385) 526,2358 v1(526,2116)
NetR7_2: R7.2 U3.4 U4.4 | length 220.2
  Top Layer w6: U3.4@413.59,2493.31 517.62,2493.31 R7.2@522,2497.69 U4.4@522,2607.64
NetR9_1: R9.1 R10.2 U5.3 | length 137.9
  Top Layer w7: R9.1@1309,2909.94 1344,2874.94 R10.2@1344,2872.63 ; R9.1@1309,2912 1309,2914.06 1334.85,2939.91 1345.91,2939.91 1352.8,2946.8 U5.3@1352.8,2973.43
NetR10_1: R10.1 R15.2 U5.6 | length 402.8
  Top Layer w6: R10.1@1344,2910.34 1379,2875.34 R15.2@1379,2872.31 v1(1379,2843) ; U5.6@1353,3076.78 v1(1353,3115)
  Mid-Layer 1 w6: v1(1353,3115) 1379,3089 v1(1379,2843)
NetR13_1: R13.1 R14.2 U7.3 | length 137.5
  Top Layer w6: R14.2@2600.63,2836 2601.98,2836 R13.1@2636.98,2871 ; R13.1@2640,2871 2641.35,2871 2668.41,2843.94 2668.41,2832.59 2674.8,2826.2 U7.3@2701.43,2826.2
NetR14_1: R14.1 R17.2 U7.6 | length 399.8
  Top Layer w6: v1(2571,2801) R17.2@2600.63,2801 2601.98,2801 R14.1@2636.98,2836 ; U7.6@2804.57,2826.2 v1(2842.2,2826.2)
  Mid-Layer 1 w6: v1(2571,2801) 2596.2,2826.2 2714.75,2826.2 v1(2842.2,2826.2)
NetR16_2: R16.2 U6.4 U9.4 | length 216.1
  Top Layer w6: U6.4@1269.59,3222.31 1372.62,3222.31 1377.43,3227.12 U9.4@1377.43,3333.34
NetR18_2: R18.2 U8.4 U10.4 | length 213.8
  Top Layer w6: U8.4@2956.31,2907.41 2956.31,2808.38 R18.2@2964.69,2800 U10.4@3067.64,2800
NetU2_1: U2.1 U3.1 | length 246.1
  Top Layer w6: U3.1@362.41,2406.69 363,2406.1 363,2376 354.31,2367.31 354.31,2267.86 378.75,2243.43 U2.1@447.61,2243.43
NetU2_7: U2.7 U3.2 | length 127.8
  Top Layer w7: U3.2@388,2406.69 388,2395.23 402.77,2380.46 424.42,2380.46 461.45,2380.46 U2.7@473.2,2368.7 ; U2.7@473.2,2346.57 U2.7@473.2,2366.7
NetU5_1: U5.1 U6.1 | length 237.8
  Top Layer w6: U6.1@1218.41,3135.69 1218.41,3100.41 1213.31,3095.31 1213.31,2998.86 1238.75,2973.43 U5.1@1301.61,2973.43
NetU5_7: U5.7 U6.2 | length 129.8
  Top Layer w6: U6.2@1244,3135.69 1244,3116 1250.04,3109.96 1315.24,3109.96 U5.7@1327.2,3098 ; U5.7@1327.2,3076.57 U5.7@1327.2,3096
NetU7_1: U7.1 U8.1 | length 251.7
  Top Layer w6: U7.1@2701.43,2877.39 2701.43,2945.88 2725.86,2970.31 2804.68,2970.31 2816.41,2958.59 U8.1@2869.69,2958.59
NetU7_7: U7.7 U8.2 | length 125.9
  Top Layer w6: U7.7@2804.57,2851.8 2824,2851.8 2843.96,2871.76 2843.96,2918.03 2858.93,2933 U8.2@2869.69,2933
NewNet: 
pads on no net: J1.C23 J1.C24 J1.D18 J1.D19 J1.D20 J1.D21 J1.D22 J1.M1 J1.M2 J2.0 J2.1 J3.0 J3.1 J4.0 J4.1 P3.13 P3.15 P3.17 P3.19 U1.1 U1.2 U4.5 U9.5 U10.5

## Polygon pours and split planes (outlines as drawn)
3V3 on Internal Plane 1 (split plane): 3525.5,22.6 22.38,22.6 22.38,4313.11 3525.5,4313.11
GND on Internal Plane 2 (split plane): 3525.5,22.6 22.38,22.6 22.38,4313.11 3525.5,4313.11

## Keep-outs
Keep-Out Layer:
  lines w8: 0,0 3543.31,0 3543.31,4330.71 0,4330.71 0,0

## Silkscreen, mask and mechanical layers (free items; w line width, h text height)
Top Overlay:
  lines w3.94: 2195,1070 2195,1530 3210,1530 3210,1070 2195,1070 ; 2195,1650 2195,2660 3210,2660 3210,1650 2195,1650
  text "CX4 Test Port" at 2164,1652 h40 r90
  text "CX4" at 384,1444 h150
  text "Mezzanine Card" at 700,1443.62 h150
  text "REV 0      January 2011" at 407,1339 h60
  text "GPIO" at 2164,1071 h40 r90
  text "5" at 2724,1008 h40
  text "0" at 2330,1007 h40
  text "1" at 2409,1007 h40
  text "2" at 2488,1007 h40
  text "3" at 2568,1007 h40
  text "4" at 2646,1007 h40
Mechanical 1:
  lines w8: 0,0 3543.31,0 3547.24,4330.71 0,4330.71 0,0